# KiCad board data-center-ddr5-tester.kicad_pcb (continued)
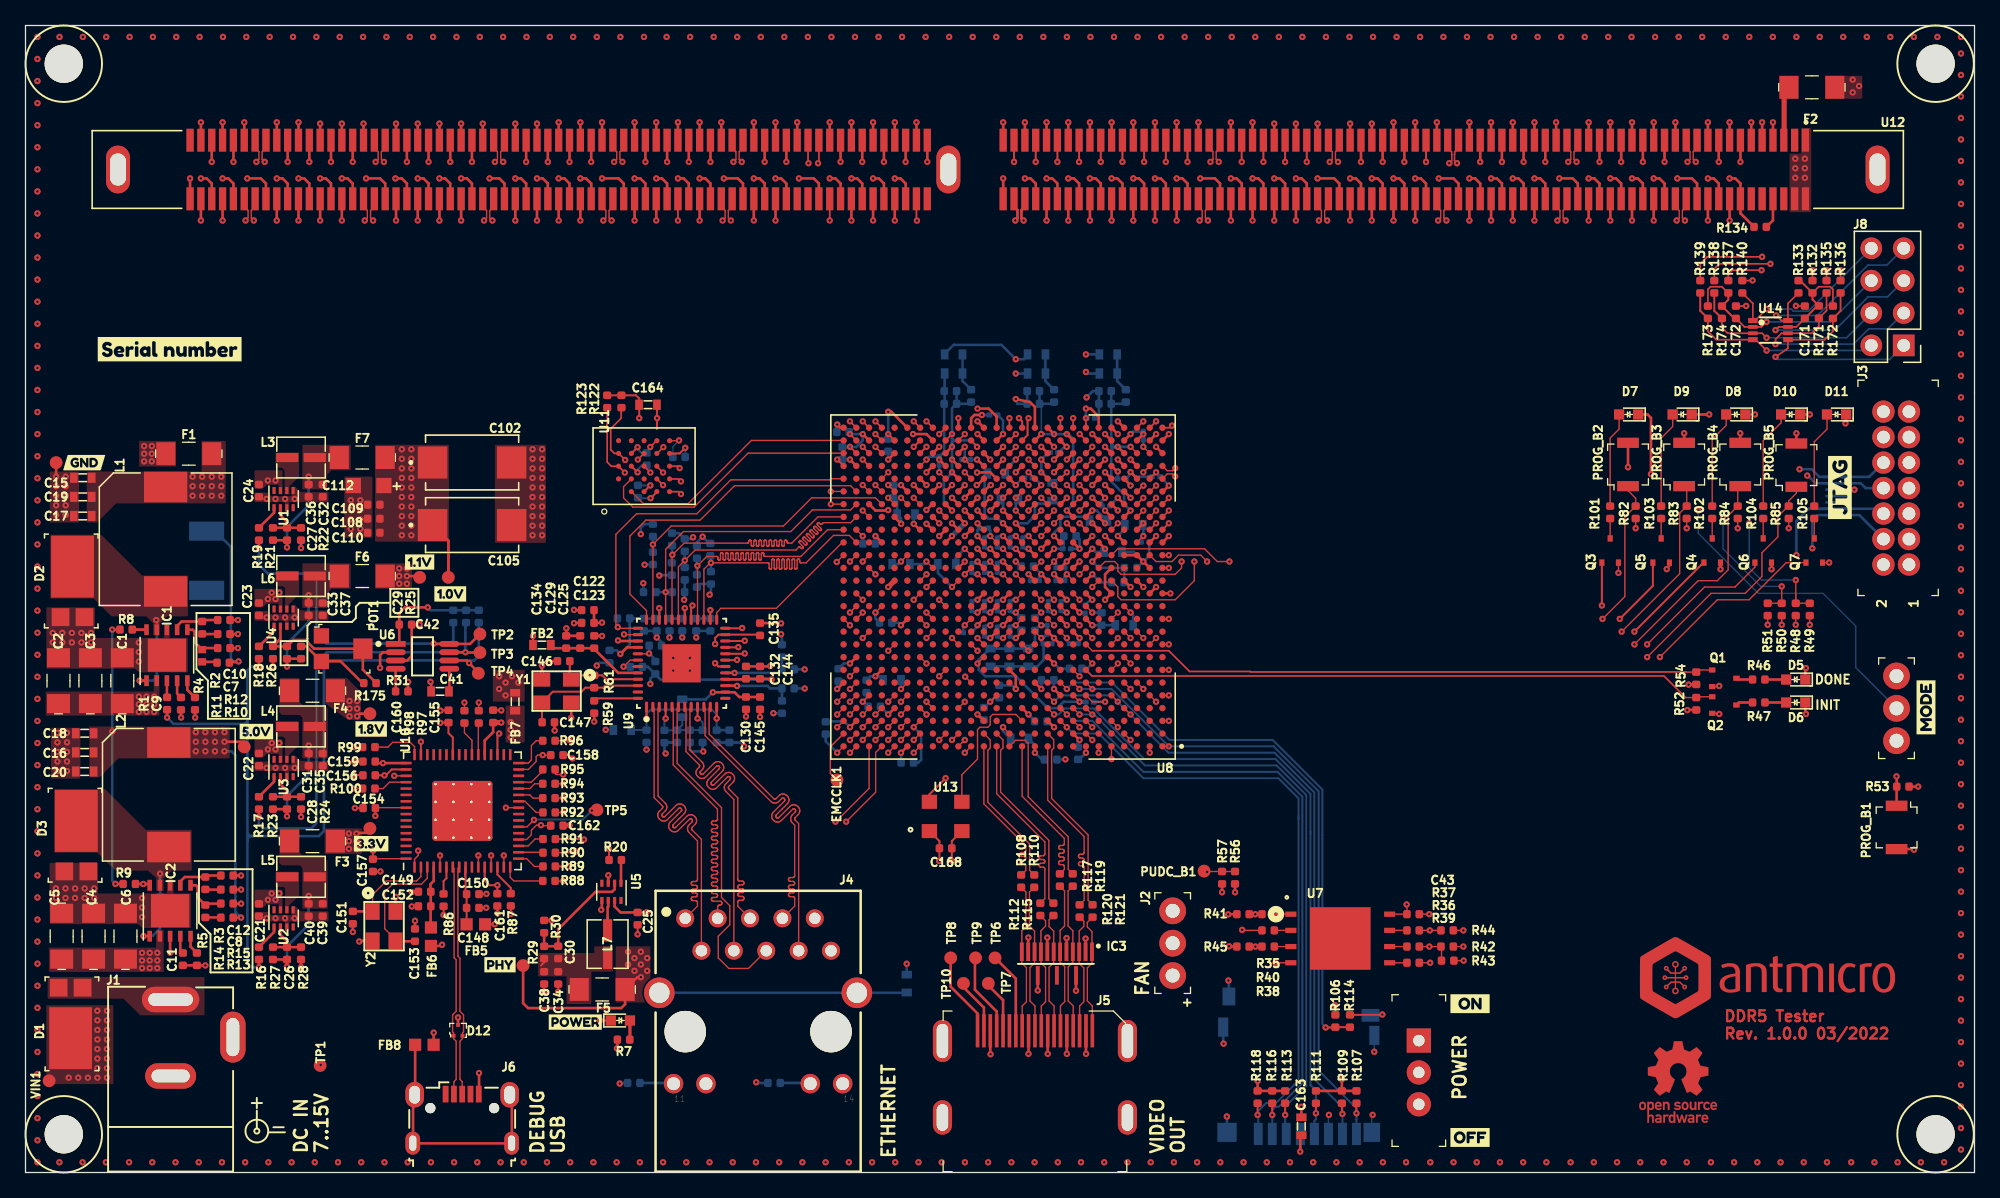
[diagram p0: board, top side]
## Routing (per net, layer and track width the routed paths; a pad name or vN(x,y) marks a point on that pad's centre or on a via; arc(x,y) is an arc through that point) (continued)
DQS8_B_P: length 77.3
  Top w0.1: v1(17.25,74.7) 17.45,74.9 17.45,75.48 17.15,75.78 U12.283
  Top w0.11: U8.M25 v1(64.64,43.94)
  In9.Cu w0.102: v1(64.64,43.94) 65.02,44.33 65.02,44.57 53.7,55.89 42.7,55.89 25.7,72.89 24.9,72.89 24.87,72.88 24.85,72.88 24.83,72.86 24.82,72.85 24.81,72.83 24.8,72.81 24.8,72.79 24.8,72.59 24.79,72.52 24.76,72.45 24.73,72.39 24.68,72.34 24.62,72.31 24.55,72.28 24.49,72.28 24.45,72.28 24.38,72.28 24.31,72.31 24.26,72.34 24.21,72.39 24.17,72.45 24.15,72.52 24.14,72.59 24.14,73.4 24.14,73.42 24.13,73.44 24.12,73.46 24.1,73.48 24.08,73.49 24.06,73.5 24.04,73.5 24.02,73.5 23.99,73.49 23.97,73.48 23.96,73.46 23.95,73.44 23.94,73.42 23.94,73.4 23.94,72.59 23.93,72.52 23.91,72.45 23.87,72.39 23.82,72.34 23.76,72.31 23.7,72.28 23.63,72.28 23.59,72.28 23.52,72.28 23.46,72.31 23.4,72.34 23.35,72.39 23.31,72.45 23.29,72.52 23.28,72.59 23.28,73.4 23.28,73.42 23.27,73.44 23.26,73.46 23.24,73.48 23.22,73.49 23.2,73.5 23.18,73.5 23.16,73.5 23.14,73.49 23.12,73.48 23.1,73.46 23.09,73.44 23.08,73.42 23.08,73.4 23.08,72.59 23.07,72.52 23.05,72.45 23.01,72.39 22.96,72.34 22.9,72.31 22.84,72.28 22.77,72.28 22.73,72.28 22.66,72.28 22.6,72.31 22.54,72.34 22.49,72.39 22.45,72.45 22.43,72.52 22.42,72.59 22.42,73.4 22.42,73.42 22.41,73.44 22.4,73.46 22.38,73.48 22.37,73.49 22.34,73.5 22.32,73.5 22.3,73.5 22.28,73.49 22.26,73.48 22.24,73.46 22.23,73.44 22.22,73.42 22.22,73.4 22.22,72.59 22.21,72.52 22.19,72.45 22.15,72.39 22.1,72.34 22.04,72.31 21.98,72.28 21.91,72.28 21.87,72.28 21.8,72.28 21.74,72.31 21.68,72.34 21.63,72.39 21.59,72.45 21.57,72.52 21.56,72.59 21.56,73.4 21.56,73.42 21.55,73.44 21.54,73.46 21.53,73.48 21.51,73.49 21.49,73.5 21.46,73.5 21.44,73.5 21.42,73.49 21.4,73.48 21.38,73.46 21.37,73.44 21.36,73.42 21.36,73.4 21.36,72.59 21.35,72.52 21.33,72.45 21.29,72.39 21.24,72.34 21.19,72.31 21.12,72.28 21.05,72.28 21.01,72.28 20.95,72.28 20.88,72.31 20.82,72.34 20.77,72.39 20.74,72.45 20.71,72.52 20.71,72.59 20.71,73.4 20.7,73.42 20.7,73.44 20.68,73.46 20.67,73.48 20.65,73.49 20.63,73.5 20.6,73.5 20.58,73.5 20.56,73.49 20.54,73.48 20.52,73.46 20.51,73.44 20.5,73.42 20.5,73.4 20.5,72.59 20.49,72.52 20.47,72.45 20.44,72.39 20.39,72.34 20.33,72.31 20.26,72.28 20.19,72.28 20.16,72.28 20.09,72.28 20.02,72.31 19.96,72.34 19.91,72.39 19.88,72.45 19.85,72.52 19.85,72.59 19.85,73.4 19.84,73.42 19.84,73.44 19.82,73.46 19.81,73.48 19.79,73.49 19.77,73.5 19.75,73.5 19.72,73.5 19.7,73.49 19.68,73.48 19.67,73.46 19.65,73.44 19.65,73.42 19.64,73.4 19.64,72.59 19.64,72.52 19.61,72.45 19.58,72.39 19.53,72.34 19.47,72.31 19.4,72.28 19.34,72.28 19.3,72.28 19.23,72.28 19.16,72.31 19.1,72.34 19.06,72.39 19.02,72.45 19,72.52 18.99,72.59 18.99,72.79 18.99,72.81 18.98,72.83 18.97,72.85 18.95,72.86 18.93,72.88 18.91,72.88 18.89,72.89 18.7,72.89 17.46,74.13 17.46,74.49 v1(17.25,74.7)
DQS9_A_N: length 36.4
  Top w0.1: v1(92.7,74.7) 92.5,74.9 92.5,75.48 92.8,75.78 U12.200
  Top w0.11: U8.W9 v1(80.64,50.94)
  In9.Cu w0.102: v1(92.7,74.7) 92.49,74.49 92.49,55.83 87.55,50.89 84.38,50.89 83.87,50.38 83.64,50.15 82.26,50.15 82.23,50.15 82.21,50.14 82.19,50.13 82.18,50.11 82.16,50.09 82.16,50.07 82.15,50.05 82.15,49.99 82.15,49.97 82.14,49.95 82.13,49.93 82.12,49.91 82.1,49.9 82.08,49.9 82.05,49.89 82.03,49.9 82.01,49.9 81.99,49.91 81.97,49.93 81.96,49.95 81.95,49.97 81.95,49.99 81.95,50.05 81.95,50.07 81.94,50.09 81.93,50.11 81.91,50.13 81.89,50.14 81.87,50.15 81.85,50.15 81.43,50.15 v1(80.64,50.94)
DQS9_A_P: length 36.4
  Top w0.1: v1(92.05,74.7) 92.25,74.9 92.25,75.48 91.95,75.78 U12.201
  Top w0.11: U8.W10 v1(80.64,51.94)
  In9.Cu w0.102: v1(80.64,51.94) 80.64,51.53 81.05,51.12 81.05,50.85 81.52,50.38 83.55,50.38 84.28,51.11 87.45,51.11 92.26,55.92 92.26,74.49 v1(92.05,74.7)
DQS9_B_N: length 51.6
  Top w0.1: U12.94 55.4,80.38 55.7,80.09 55.7,79.5 v1(55.5,79.3)
  Top w0.2: v1(78.64,53.94) U8.AB12
  In9.Cu w0.1: 78.08,54.5 v1(78.64,53.94)
  In9.Cu w0.102: 78.08,54.5 76.56,54.5 75.67,55.39 75.67,57.05 63.97,68.75 60.84,68.75 57.55,72.04 57.51,72.09 57.48,72.16 57.46,72.22 57.46,72.29 57.48,72.36 57.51,72.42 57.55,72.48 57.67,72.6 57.69,72.62 57.7,72.64 57.7,72.66 57.7,72.68 57.7,72.71 57.69,72.73 57.67,72.74 57.65,72.76 57.63,72.77 57.61,72.77 57.59,72.77 57.57,72.77 57.55,72.76 57.53,72.74 56.99,72.21 56.94,72.16 56.88,72.13 56.81,72.12 56.74,72.12 56.67,72.13 56.61,72.16 56.56,72.21 56.53,72.23 56.49,72.29 56.46,72.35 56.44,72.42 56.44,72.49 56.46,72.55 56.49,72.62 56.53,72.67 57.07,73.21 57.08,73.23 57.09,73.25 57.09,73.27 57.09,73.29 57.09,73.31 57.08,73.33 57.07,73.35 57.05,73.37 57.03,73.38 57,73.38 56.98,73.38 56.96,73.38 56.94,73.37 56.92,73.35 56.39,72.81 56.33,72.77 56.27,72.74 56.2,72.73 56.13,72.73 56.07,72.74 56,72.77 55.95,72.81 55.92,72.84 55.88,72.9 55.85,72.96 55.83,73.03 55.83,73.09 55.85,73.16 55.88,73.22 55.92,73.28 56.05,73.4 56.06,73.42 56.07,73.44 56.07,73.46 56.07,73.48 56.07,73.51 56.06,73.53 56.05,73.55 55.71,73.88 55.71,74.45 55.71,74.47 55.7,74.49 55.69,74.5 55.68,74.52 55.66,74.53 55.64,74.53 55.62,74.54 55.49,74.54 55.43,74.54 55.37,74.56 55.31,74.6 55.26,74.65 55.23,74.7 55.21,74.76 55.2,74.83 55.2,74.9 55.21,74.96 55.23,75.02 55.26,75.08 55.31,75.13 55.37,75.16 55.43,75.18 55.49,75.19 56.14,75.19 56.16,75.19 56.18,75.2 56.19,75.21 56.21,75.22 56.22,75.24 56.22,75.26 56.22,75.28 56.22,75.31 56.22,75.33 56.22,75.34 56.21,75.36 56.19,75.38 56.18,75.39 56.16,75.39 56.14,75.39 55.49,75.39 55.43,75.4 55.37,75.42 55.31,75.46 55.26,75.51 55.23,75.56 55.21,75.62 55.2,75.69 55.2,75.75 55.21,75.82 55.23,75.88 55.26,75.94 55.31,75.99 55.37,76.02 55.43,76.04 55.49,76.05 56.14,76.05 56.16,76.05 56.18,76.06 56.19,76.07 56.21,76.08 56.22,76.1 56.22,76.12 56.22,76.14 56.22,76.17 56.22,76.19 56.22,76.2 56.21,76.22 56.19,76.23 56.18,76.24 56.16,76.25 56.14,76.25 55.49,76.25 55.43,76.26 55.37,76.28 55.31,76.32 55.26,76.36 55.23,76.42 55.21,76.48 55.2,76.55 55.2,76.61 55.21,76.68 55.23,76.74 55.26,76.8 55.31,76.84 55.37,76.88 55.43,76.9 55.49,76.91 56.14,76.91 56.16,76.91 56.18,76.92 56.19,76.93 56.21,76.94 56.22,76.96 56.22,76.98 56.22,76.99 56.22,77.02 56.22,77.04 56.22,77.06 56.21,77.08 56.19,77.09 56.18,77.1 56.16,77.11 56.14,77.11 55.49,77.11 55.43,77.12 55.37,77.14 55.31,77.18 55.26,77.22 55.23,77.28 55.21,77.34 55.2,77.41 55.2,77.47 55.21,77.54 55.23,77.6 55.26,77.66 55.31,77.7 55.37,77.74 55.43,77.76 55.49,77.77 56.14,77.77 56.16,77.77 56.18,77.78 56.19,77.79 56.21,77.8 56.22,77.82 56.22,77.83 56.22,77.85 56.22,77.88 56.22,77.9 56.22,77.92 56.21,77.94 56.19,77.95 56.18,77.96 56.16,77.97 56.14,77.97 55.49,77.97 55.43,77.98 55.37,78 55.31,78.03 55.26,78.08 55.23,78.14 55.21,78.2 55.2,78.26 55.2,78.33 55.21,78.4 55.23,78.46 55.26,78.51 55.31,78.56 55.37,78.6 55.43,78.62 55.49,78.62 55.62,78.62 55.64,78.63 55.66,78.63 55.68,78.64 55.69,78.66 55.7,78.67 55.71,78.69 55.71,78.71 55.71,79.09 v1(55.5,79.3)
DQS9_B_P: length 51.6
  Top w0.1: U12.93 56.25,80.38 55.95,80.09 55.95,79.5 v1(56.15,79.3)
  Top w0.2: v1(77.64,54.94) U8.AC12
  In9.Cu w0.1: v1(77.64,54.94) 77.45,54.75
  In9.Cu w0.102: v1(56.15,79.3) 55.94,79.09 55.94,78.69 55.93,78.63 55.91,78.57 55.87,78.51 55.83,78.46 55.77,78.43 55.71,78.41 55.64,78.4 55.51,78.4 55.49,78.4 55.47,78.39 55.46,78.38 55.44,78.37 55.43,78.35 55.43,78.33 55.43,78.31 55.43,78.28 55.43,78.26 55.43,78.24 55.44,78.23 55.46,78.21 55.47,78.2 55.49,78.2 55.51,78.2 56.16,78.2 56.22,78.19 56.28,78.17 56.34,78.13 56.39,78.08 56.42,78.03 56.44,77.97 56.45,77.9 56.45,77.84 56.44,77.77 56.42,77.71 56.39,77.65 56.34,77.6 56.28,77.57 56.22,77.55 56.16,77.54 55.51,77.54 55.49,77.54 55.47,77.53 55.46,77.52 55.44,77.51 55.43,77.49 55.43,77.47 55.43,77.45 55.43,77.42 55.43,77.4 55.43,77.39 55.44,77.37 55.46,77.36 55.47,77.35 55.49,77.34 55.51,77.34 56.16,77.34 56.22,77.33 56.28,77.31 56.34,77.27 56.39,77.23 56.42,77.17 56.44,77.11 56.45,77.04 56.45,76.98 56.44,76.91 56.42,76.85 56.39,76.79 56.34,76.75 56.28,76.71 56.22,76.69 56.16,76.68 55.51,76.68 55.49,76.68 55.47,76.67 55.46,76.66 55.44,76.65 55.43,76.63 55.43,76.61 55.43,76.59 55.43,76.57 55.43,76.55 55.43,76.53 55.44,76.51 55.46,76.5 55.47,76.49 55.49,76.48 55.51,76.48 56.16,76.48 56.22,76.47 56.28,76.45 56.34,76.41 56.39,76.37 56.42,76.31 56.44,76.25 56.45,76.18 56.45,76.12 56.44,76.05 56.42,75.99 56.39,75.93 56.34,75.89 56.28,75.85 56.22,75.83 56.16,75.82 55.51,75.82 55.49,75.82 55.47,75.81 55.46,75.8 55.44,75.79 55.43,75.77 55.43,75.76 55.43,75.74 55.43,75.71 55.43,75.69 55.43,75.67 55.44,75.65 55.46,75.64 55.47,75.63 55.49,75.62 55.51,75.62 56.16,75.62 56.22,75.61 56.28,75.59 56.34,75.56 56.39,75.51 56.42,75.45 56.44,75.39 56.45,75.33 56.45,75.26 56.44,75.19 56.42,75.13 56.39,75.08 56.34,75.03 56.28,74.99 56.22,74.97 56.16,74.96 55.51,74.96 55.49,74.96 55.47,74.96 55.46,74.95 55.44,74.93 55.43,74.92 55.43,74.9 55.43,74.88 55.43,74.85 55.43,74.83 55.43,74.81 55.44,74.79 55.46,74.78 55.47,74.77 55.49,74.76 55.51,74.76 55.64,74.76 55.71,74.75 55.77,74.73 55.83,74.7 55.87,74.65 55.91,74.59 55.93,74.53 55.94,74.47 55.94,73.97 56.22,73.69 56.26,73.64 56.29,73.58 56.31,73.51 56.31,73.44 56.29,73.37 56.26,73.31 56.22,73.25 56.1,73.13 56.08,73.11 56.07,73.09 56.07,73.07 56.07,73.05 56.07,73.03 56.08,73.01 56.1,72.99 56.11,72.97 56.13,72.96 56.16,72.96 56.18,72.96 56.2,72.96 56.22,72.97 56.24,72.99 56.78,73.52 56.83,73.57 56.89,73.6 56.96,73.61 57.03,73.61 57.1,73.6 57.16,73.57 57.21,73.52 57.24,73.5 57.28,73.44 57.31,73.38 57.33,73.31 57.33,73.24 57.31,73.18 57.28,73.12 57.24,73.06 56.7,72.52 56.69,72.51 56.68,72.49 56.67,72.46 56.67,72.44 56.68,72.42 56.69,72.4 56.7,72.38 56.72,72.37 56.74,72.36 56.76,72.35 56.79,72.35 56.81,72.36 56.83,72.37 56.85,72.38 57.38,72.92 57.44,72.96 57.5,72.99 57.57,73.01 57.64,73.01 57.7,72.99 57.76,72.96 57.82,72.92 57.85,72.89 57.89,72.84 57.92,72.77 57.93,72.71 57.93,72.64 57.92,72.57 57.89,72.51 57.85,72.45 57.72,72.33 57.71,72.31 57.7,72.29 57.69,72.27 57.69,72.25 57.7,72.23 57.71,72.21 57.72,72.19 60.94,68.97 64.07,68.97 75.89,57.15 75.89,56.71 75.9,56.68 75.9,56.66 75.92,56.64 75.93,56.63 75.95,56.61 75.97,56.61 75.99,56.6 76.05,56.6 76.07,56.6 76.1,56.59 76.11,56.58 76.13,56.57 76.14,56.55 76.15,56.53 76.15,56.5 76.15,56.48 76.14,56.46 76.13,56.44 76.11,56.42 76.1,56.41 76.07,56.4 76.05,56.4 75.99,56.4 75.97,56.4 75.95,56.39 75.93,56.38 75.92,56.36 75.9,56.34 75.9,56.32 75.89,56.3 75.9,56.28 75.9,56.26 75.92,56.24 75.93,56.22 75.95,56.21 75.97,56.2 75.99,56.2 76.05,56.2 76.07,56.2 76.1,56.19 76.11,56.18 76.13,56.16 76.14,56.14 76.15,56.12 76.15,56.1 76.15,56.07 76.14,56.05 76.13,56.03 76.11,56.02 76.1,56 76.07,56 76.05,55.99 75.99,55.99 75.97,55.99 75.95,55.98 75.93,55.97 75.92,55.96 75.9,55.94 75.9,55.92 75.89,55.89 75.89,55.49 76.15,55.23 76.17,55.21 76.19,55.2 76.21,55.2 76.24,55.2 76.26,55.2 76.28,55.21 76.3,55.23 76.36,55.3 76.38,55.31 76.4,55.32 76.43,55.32 76.45,55.32 76.47,55.32 76.49,55.31 76.51,55.3 76.52,55.28 76.53,55.26 76.54,55.24 76.54,55.21 76.53,55.19 76.52,55.17 76.51,55.15 76.44,55.08 76.43,55.07 76.42,55.05 76.41,55.02 76.41,55 76.42,54.98 76.43,54.96 76.44,54.94 76.63,54.75 76.84,54.75 76.87,54.75 76.89,54.76 76.91,54.77 76.92,54.79 76.94,54.81 76.94,54.83 76.95,54.85 76.95,54.95 76.95,54.97 76.96,54.99 76.97,55.01 76.98,55.03 77,55.04 77.02,55.05 77.05,55.05 77.07,55.05 77.09,55.04 77.11,55.03 77.13,55.01 77.14,54.99 77.15,54.97 77.15,54.95 77.15,54.85 77.15,54.83 77.16,54.81 77.17,54.79 77.19,54.77 77.21,54.76 77.23,54.75 77.25,54.75 77.45,54.75
EMCCLK: length 4.3
  Top w0.11: U8.B26 63.1,33.4 63.1,31.32 EMCCLK1.1
ETH_INT_N: length 34.1
  Top w0.1: U9.38 47.01,42.2 ; U8.Y20 v4(69.64,52.94)
  In2.Cu w0.1: v4(69.64,52.94) 69.14,53.44 69.14,54.11 68.05,55.19 59.14,55.19 54.64,50.69 54.64,45.64 52.39,43.4 48.09,43.4 v1(46.92,42.23)
ETH_MDC: length 26.7
  Top w0.1: U9.36 48.69,44.09 47.39,45.39 47.39,49.94 48.64,51.19 52.89,51.19 55.59,53.89 64.69,53.89 U8.AA25
ETH_MDIO: length 29.5
  Top w0.1: U8.AB26 63.15,54.44 63.07,54.35 55.3,54.35 52.64,51.69 47.9,51.69 46.29,50.07 46.29,42.94 v1(46.44,42.79) 46.52,42.7 U9.37 47.79,42.7
  Bottom w0.1: v1(46.44,42.79) 46.44,43.44 R71.1
ETH_REF_CLK: length 30.1
  Top w0.1: v1(48.89,40.73) 48.69,40.73 48.66,40.7 U9.41 ; U8.AA23 v4(66.64,53.94)
  In2.Cu w0.1: v4(66.64,53.94) 66.14,54.44 60.14,54.44 55.64,49.94 55.64,44.19 52.89,41.44 49.6,41.44 v1(48.89,40.73)
  Bottom w0.2: R79.1 48.89,41.33 v1(48.89,40.73) 49.39,40.23 49.39,40.09
ETH_RSTN: length 33.8
  Top w0.1: U8.AA22 v4(67.64,53.94) ; U9.42 47.4,40.2 v1(46.89,39.69)
  In2.Cu w0.1: v1(46.89,39.69) 46.89,40.04 49.28,42.44 53.14,42.44 55.14,44.44 55.14,50.44 59.64,54.94 66.64,54.94 v4(67.64,53.94)
  Bottom w0.2: v1(46.89,39.69) 46.9,39.68 R72.1
ETH_RX_CLK: length 26.8
  Top w0.1: U9.35 v1(49.19,49.28) 49.19,49.29 50.63,50.73 59.43,50.73 61.64,52.94 66.64,52.94 U8.Y23
  Bottom w0.2: R67.1 R78.1
ETH_RX_DV: length 23.2
  Top w0.1: U9.33 50.19,48.9 51.58,50.29 60,50.29 61.7,51.99 64.69,51.99 U8.Y25
  Bottom w0.2: R77.1 v1(50.19,45.54) R66.1
ETH_RXD0: length 26.9
  Top w0.1: U8.W26 62.13,51.44 60.07,49.38 59.8,49.38 59.77,49.38 59.75,49.39 59.73,49.4 59.72,49.42 59.71,49.44 59.7,49.46 59.7,49.48 59.7,49.52 59.69,49.54 59.69,49.56 59.67,49.58 59.66,49.6 59.64,49.61 59.62,49.62 59.6,49.62 59.57,49.62 59.55,49.61 59.53,49.6 59.52,49.58 59.51,49.56 59.5,49.54 59.5,49.52 59.5,49.24 59.49,49.22 59.49,49.2 59.47,49.18 59.46,49.16 59.44,49.15 59.42,49.14 59.4,49.14 59.37,49.14 59.35,49.15 59.33,49.16 59.32,49.18 59.31,49.2 59.3,49.22 59.3,49.24 59.3,49.52 59.29,49.54 59.29,49.56 59.27,49.58 59.26,49.6 59.24,49.61 59.22,49.62 59.2,49.62 59.17,49.62 59.15,49.61 59.13,49.6 59.12,49.58 59.11,49.56 59.1,49.54 59.1,49.52 59.1,49.24 59.09,49.22 59.09,49.2 59.07,49.18 59.06,49.16 59.04,49.15 59.02,49.14 59,49.14 58.97,49.14 58.95,49.15 58.93,49.16 58.92,49.18 58.91,49.2 58.9,49.22 58.9,49.24 58.9,49.52 58.89,49.54 58.89,49.56 58.87,49.58 58.86,49.6 58.84,49.61 58.82,49.62 58.8,49.62 58.77,49.62 58.75,49.61 58.73,49.6 58.72,49.58 58.71,49.56 58.7,49.54 58.7,49.52 58.7,49.24 58.69,49.22 58.69,49.2 58.67,49.18 58.66,49.16 58.64,49.15 58.62,49.14 58.6,49.14 58.57,49.14 58.55,49.15 58.53,49.16 58.52,49.18 58.51,49.2 58.5,49.22 58.5,49.24 58.5,49.52 58.49,49.54 58.49,49.56 58.47,49.58 58.46,49.6 58.44,49.61 58.42,49.62 58.4,49.62 58.37,49.62 58.35,49.61 58.33,49.6 58.32,49.58 58.31,49.56 58.3,49.54 58.3,49.52 58.3,49.24 58.29,49.22 58.29,49.2 58.27,49.18 58.26,49.16 58.24,49.15 58.22,49.14 58.2,49.14 58.17,49.14 58.15,49.15 58.13,49.16 58.12,49.18 58.11,49.2 58.1,49.22 58.1,49.24 58.1,49.52 58.09,49.54 58.09,49.56 58.07,49.58 58.06,49.6 58.04,49.61 58.02,49.62 58,49.62 57.97,49.62 57.95,49.61 57.93,49.6 57.92,49.58 57.91,49.56 57.9,49.54 57.9,49.52 57.9,49.24 57.89,49.22 57.89,49.2 57.87,49.18 57.86,49.16 57.84,49.15 57.82,49.14 57.8,49.14 57.77,49.14 57.75,49.15 57.73,49.16 57.72,49.18 57.71,49.2 57.7,49.22 57.7,49.24 57.7,49.52 57.69,49.54 57.69,49.56 57.67,49.58 57.66,49.6 57.64,49.61 57.62,49.62 57.6,49.62 57.57,49.62 57.55,49.61 57.53,49.6 57.52,49.58 57.51,49.56 57.5,49.54 57.5,49.52 57.5,49.24 57.49,49.22 57.49,49.2 57.47,49.18 57.46,49.16 57.44,49.15 57.42,49.14 57.4,49.14 57.37,49.14 57.35,49.15 57.33,49.16 57.32,49.18 57.31,49.2 57.3,49.22 57.3,49.24 57.3,49.52 57.29,49.54 57.29,49.56 57.27,49.58 57.26,49.6 57.24,49.61 57.22,49.62 57.2,49.62 57.17,49.62 57.15,49.61 57.13,49.6 57.12,49.58 57.11,49.56 57.1,49.54 57.1,49.52 57.1,49.24 57.09,49.22 57.09,49.2 57.07,49.18 57.06,49.16 57.04,49.15 57.02,49.14 57,49.14 56.97,49.14 56.95,49.15 56.93,49.16 56.92,49.18 56.91,49.2 56.9,49.22 56.9,49.24 56.9,49.52 56.89,49.54 56.89,49.56 56.87,49.58 56.86,49.6 56.84,49.61 56.82,49.62 56.8,49.62 56.77,49.62 56.75,49.61 56.73,49.6 56.72,49.58 56.71,49.56 56.7,49.54 56.7,49.52 56.7,49.48 56.69,49.46 56.69,49.44 56.67,49.42 56.66,49.4 56.64,49.39 56.62,49.38 56.6,49.38 51.63,49.38 50.69,48.44 U9.32
  Bottom w0.2: R62.1 50.69,48.53 ; v1(50.71,48.46) 50.67,48.42 R73.1
ETH_RXD1: length 26.8
  Top w0.1: U9.31 51.19,47.53 52.5,48.84 60.4,48.84 60.61,49.05 60.63,49.07 60.65,49.08 60.67,49.08 60.69,49.08 60.71,49.08 60.73,49.07 60.75,49.05 60.81,48.99 60.83,48.97 60.85,48.96 60.87,48.96 60.9,48.96 60.92,48.96 60.94,48.97 60.96,48.99 60.97,49 60.98,49.02 60.98,49.05 60.98,49.07 60.98,49.09 60.97,49.11 60.96,49.13 60.68,49.4 60.67,49.42 60.66,49.44 60.66,49.46 60.66,49.48 60.66,49.5 60.67,49.52 60.68,49.54 60.7,49.55 60.72,49.56 60.74,49.57 60.77,49.57 60.79,49.56 60.81,49.55 60.83,49.54 61.1,49.27 61.11,49.26 61.13,49.25 61.16,49.24 61.18,49.24 61.2,49.25 61.22,49.26 61.24,49.27 61.25,49.29 61.26,49.31 61.27,49.33 61.27,49.35 61.26,49.37 61.25,49.39 61.24,49.41 60.97,49.68 60.95,49.7 60.94,49.72 60.94,49.74 60.94,49.76 60.94,49.79 60.95,49.81 60.97,49.82 60.99,49.84 61.01,49.85 61.03,49.85 61.05,49.85 61.07,49.85 61.09,49.84 61.11,49.82 61.38,49.55 61.4,49.54 61.42,49.53 61.44,49.52 61.46,49.52 61.48,49.53 61.5,49.54 61.52,49.55 61.53,49.57 61.54,49.59 61.55,49.61 61.55,49.63 61.54,49.66 61.53,49.68 61.52,49.69 61.25,49.96 61.24,49.98 61.23,50 61.22,50.02 61.22,50.05 61.23,50.07 61.24,50.09 61.25,50.11 61.27,50.12 61.29,50.13 61.31,50.13 61.33,50.13 61.35,50.13 61.37,50.12 61.39,50.11 61.66,49.84 61.68,49.82 61.7,49.81 61.72,49.81 61.74,49.81 61.77,49.81 61.79,49.82 61.8,49.84 61.82,49.85 61.83,49.87 61.83,49.9 61.83,49.92 61.83,49.94 61.82,49.96 61.8,49.98 61.53,50.25 61.52,50.26 61.51,50.28 61.5,50.31 61.5,50.33 61.51,50.35 61.52,50.37 61.53,50.39 61.55,50.4 61.57,50.41 61.59,50.42 61.62,50.42 61.64,50.41 61.66,50.4 61.67,50.39 61.94,50.12 61.96,50.1 61.98,50.09 62,50.09 62.03,50.09 62.05,50.09 62.07,50.1 62.09,50.12 62.1,50.14 62.11,50.16 62.12,50.18 62.12,50.2 62.11,50.22 62.1,50.24 62.09,50.26 61.82,50.53 61.8,50.55 61.79,50.57 61.79,50.59 61.79,50.61 61.79,50.63 61.8,50.65 61.82,50.67 61.83,50.69 61.85,50.7 61.88,50.7 61.9,50.7 61.92,50.7 61.94,50.69 61.96,50.67 62.23,50.4 62.25,50.39 62.27,50.38 62.29,50.37 62.31,50.37 62.33,50.38 62.35,50.39 62.37,50.4 62.38,50.42 62.39,50.44 62.4,50.46 62.4,50.48 62.39,50.51 62.38,50.53 62.37,50.54 62.1,50.81 62.09,50.83 62.08,50.85 62.07,50.87 62.07,50.89 62.08,50.92 62.09,50.94 62.1,50.95 62.12,50.97 62.14,50.98 62.16,50.98 62.18,50.98 62.2,50.98 62.22,50.97 62.24,50.95 62.3,50.89 62.32,50.88 62.34,50.87 62.36,50.86 62.39,50.86 62.41,50.87 62.43,50.88 62.45,50.89 62.55,50.99 64.69,50.99 U8.W25
  Bottom w0.2: R74.1 v1(51.69,48.03) R63.1
ETH_RXD2: length 26.9
  Top w0.1: U8.V26 62.89,50.44 60.79,48.34 57.99,48.34 57.96,48.34 57.94,48.35 57.92,48.36 57.91,48.38 57.9,48.4 57.89,48.42 57.89,48.44 57.89,48.53 57.88,48.55 57.88,48.57 57.86,48.59 57.85,48.61 57.83,48.62 57.81,48.63 57.79,48.63 57.76,48.63 57.74,48.62 57.72,48.61 57.71,48.59 57.7,48.57 57.69,48.55 57.69,48.53 57.69,48.15 57.68,48.13 57.68,48.11 57.66,48.09 57.65,48.07 57.63,48.06 57.61,48.05 57.59,48.05 57.56,48.05 57.54,48.06 57.52,48.07 57.51,48.09 57.5,48.11 57.49,48.13 57.49,48.15 57.49,48.53 57.48,48.55 57.48,48.57 57.46,48.59 57.45,48.61 57.43,48.62 57.41,48.63 57.39,48.63 57.36,48.63 57.34,48.62 57.32,48.61 57.31,48.59 57.3,48.57 57.29,48.55 57.29,48.53 57.29,48.15 57.28,48.13 57.28,48.11 57.26,48.09 57.25,48.07 57.23,48.06 57.21,48.05 57.19,48.05 57.16,48.05 57.14,48.06 57.12,48.07 57.11,48.09 57.1,48.11 57.09,48.13 57.09,48.15 57.09,48.53 57.08,48.55 57.08,48.57 57.06,48.59 57.05,48.61 57.03,48.62 57.01,48.63 56.99,48.63 56.96,48.63 56.94,48.62 56.92,48.61 56.91,48.59 56.9,48.57 56.89,48.55 56.89,48.53 56.89,48.15 56.88,48.13 56.88,48.11 56.86,48.09 56.85,48.07 56.83,48.06 56.81,48.05 56.79,48.05 56.76,48.05 56.74,48.06 56.72,48.07 56.71,48.09 56.7,48.11 56.69,48.13 56.69,48.15 56.69,48.53 56.68,48.55 56.68,48.57 56.66,48.59 56.65,48.61 56.63,48.62 56.61,48.63 56.59,48.63 56.56,48.63 56.54,48.62 56.52,48.61 56.51,48.59 56.5,48.57 56.49,48.55 56.49,48.53 56.49,48.15 56.48,48.13 56.48,48.11 56.46,48.09 56.45,48.07 56.43,48.06 56.41,48.05 56.39,48.05 56.36,48.05 56.34,48.06 56.32,48.07 56.31,48.09 56.3,48.11 56.29,48.13 56.29,48.15 56.29,48.53 56.28,48.55 56.28,48.57 56.26,48.59 56.25,48.61 56.23,48.62 56.21,48.63 56.19,48.63 56.16,48.63 56.14,48.62 56.12,48.61 56.11,48.59 56.1,48.57 56.09,48.55 56.09,48.53 56.09,48.15 56.08,48.13 56.08,48.11 56.06,48.09 56.05,48.07 56.03,48.06 56.01,48.05 55.99,48.05 55.96,48.05 55.94,48.06 55.92,48.07 55.91,48.09 55.9,48.11 55.89,48.13 55.89,48.15 55.89,48.53 55.88,48.55 55.88,48.57 55.86,48.59 55.85,48.61 55.83,48.62 55.81,48.63 55.79,48.63 55.76,48.63 55.74,48.62 55.72,48.61 55.71,48.59 55.7,48.57 55.69,48.55 55.69,48.53 55.69,48.15 55.68,48.13 55.68,48.11 55.66,48.09 55.65,48.07 55.63,48.06 55.61,48.05 55.59,48.05 55.56,48.05 55.54,48.06 55.52,48.07 55.51,48.09 55.5,48.11 55.49,48.13 55.49,48.15 55.49,48.53 55.48,48.55 55.48,48.57 55.46,48.59 55.45,48.61 55.43,48.62 55.41,48.63 55.39,48.63 55.36,48.63 55.34,48.62 55.32,48.61 55.31,48.59 55.3,48.57 55.29,48.55 55.29,48.53 55.29,48.15 55.28,48.13 55.28,48.11 55.26,48.09 55.25,48.07 55.23,48.06 55.21,48.05 55.19,48.05 55.16,48.05 55.14,48.06 55.12,48.07 55.11,48.09 55.1,48.11 55.09,48.13 55.09,48.15 55.09,48.53 55.08,48.55 55.08,48.57 55.06,48.59 55.05,48.61 55.03,48.62 55.01,48.63 54.99,48.63 54.96,48.63 54.94,48.62 54.92,48.61 54.91,48.59 54.9,48.57 54.89,48.55 54.89,48.53 54.89,48.15 54.88,48.13 54.88,48.11 54.86,48.09 54.85,48.07 54.83,48.06 54.81,48.05 54.79,48.05 54.76,48.05 54.74,48.06 54.72,48.07 54.71,48.09 54.7,48.11 54.69,48.13 54.69,48.15 54.69,48.53 54.68,48.55 54.68,48.57 54.66,48.59 54.65,48.61 54.63,48.62 54.61,48.63 54.59,48.63 54.56,48.63 54.54,48.62 54.52,48.61 54.51,48.59 54.5,48.57 54.49,48.55 54.49,48.53 54.49,48.15 54.48,48.13 54.48,48.11 54.46,48.09 54.45,48.07 54.43,48.06 54.41,48.05 54.39,48.05 54.36,48.05 54.34,48.06 54.32,48.07 54.31,48.09 54.3,48.11 54.29,48.13 54.29,48.15 54.29,48.24 54.28,48.26 54.28,48.28 54.26,48.3 54.25,48.32 54.23,48.33 54.21,48.34 54.19,48.34 53.41,48.34 52.69,47.61 U9.28
  Bottom w0.2: R75.1 R64.1
  vias: v1(52.68,47.61)
ETH_RXD3: length 26.7
  Top w0.1: U9.27 53.19,47.34 53.69,47.84 58.2,47.84 58.22,47.84 58.24,47.83 58.26,47.82 58.27,47.8 58.29,47.78 58.29,47.76 58.3,47.74 58.3,47.45 58.3,47.42 58.31,47.4 58.32,47.38 58.33,47.37 58.35,47.36 58.37,47.35 58.4,47.35 58.42,47.35 58.44,47.36 58.46,47.37 58.47,47.38 58.49,47.4 58.49,47.42 58.5,47.45 58.5,48.03 58.5,48.06 58.51,48.08 58.52,48.1 58.53,48.11 58.55,48.12 58.57,48.13 58.6,48.13 58.62,48.13 58.64,48.12 58.66,48.11 58.67,48.1 58.69,48.08 58.69,48.06 58.7,48.03 58.7,47.45 58.7,47.42 58.71,47.4 58.72,47.38 58.73,47.37 58.75,47.36 58.77,47.35 58.8,47.35 58.82,47.35 58.84,47.36 58.86,47.37 58.87,47.38 58.89,47.4 58.89,47.42 58.9,47.45 58.9,48.03 58.9,48.06 58.91,48.08 58.92,48.1 58.93,48.11 58.95,48.12 58.97,48.13 59,48.13 59.02,48.13 59.04,48.12 59.06,48.11 59.07,48.1 59.09,48.08 59.09,48.06 59.1,48.03 59.1,47.45 59.1,47.42 59.11,47.4 59.12,47.38 59.13,47.37 59.15,47.36 59.17,47.35 59.2,47.35 59.22,47.35 59.24,47.36 59.26,47.37 59.27,47.38 59.29,47.4 59.29,47.42 59.3,47.45 59.3,48.03 59.3,48.06 59.31,48.08 59.32,48.1 59.33,48.11 59.35,48.12 59.37,48.13 59.4,48.13 59.42,48.13 59.44,48.12 59.46,48.11 59.47,48.1 59.49,48.08 59.49,48.06 59.5,48.03 59.5,47.45 59.5,47.42 59.51,47.4 59.52,47.38 59.53,47.37 59.55,47.36 59.57,47.35 59.6,47.35 59.62,47.35 59.64,47.36 59.66,47.37 59.67,47.38 59.69,47.4 59.69,47.42 59.7,47.45 59.7,48.03 59.7,48.06 59.71,48.08 59.72,48.1 59.73,48.11 59.75,48.12 59.77,48.13 59.8,48.13 59.82,48.13 59.84,48.12 59.86,48.11 59.87,48.1 59.89,48.08 59.89,48.06 59.9,48.03 59.9,47.45 59.9,47.42 59.91,47.4 59.92,47.38 59.93,47.37 59.95,47.36 59.97,47.35 60,47.35 60.02,47.35 60.04,47.36 60.06,47.37 60.07,47.38 60.09,47.4 60.09,47.42 60.1,47.45 60.1,48.03 60.1,48.06 60.11,48.08 60.12,48.1 60.13,48.11 60.15,48.12 60.17,48.13 60.2,48.13 60.22,48.13 60.24,48.12 60.26,48.11 60.27,48.1 60.29,48.08 60.29,48.06 60.3,48.03 60.3,47.45 60.3,47.42 60.31,47.4 60.32,47.38 60.33,47.37 60.35,47.36 60.37,47.35 60.4,47.35 60.42,47.35 60.44,47.36 60.46,47.37 60.47,47.38 60.49,47.4 60.49,47.42 60.5,47.45 60.5,48.03 60.5,48.06 60.51,48.08 60.52,48.1 60.53,48.11 60.55,48.12 60.57,48.13 60.6,48.13 60.62,48.13 60.64,48.12 60.66,48.11 60.67,48.1 60.69,48.08 60.69,48.06 60.7,48.03 60.7,47.94 60.7,47.92 60.71,47.9 60.72,47.88 60.73,47.86 60.75,47.85 60.77,47.84 60.8,47.84 61.2,47.84 63.35,49.99 64.59,49.99 U8.U25
  Bottom w0.2: 53.74,48.29 v1(53.74,47.84) R76.1
